# Allegro board LAUNCHXL-CC1312R1.brd
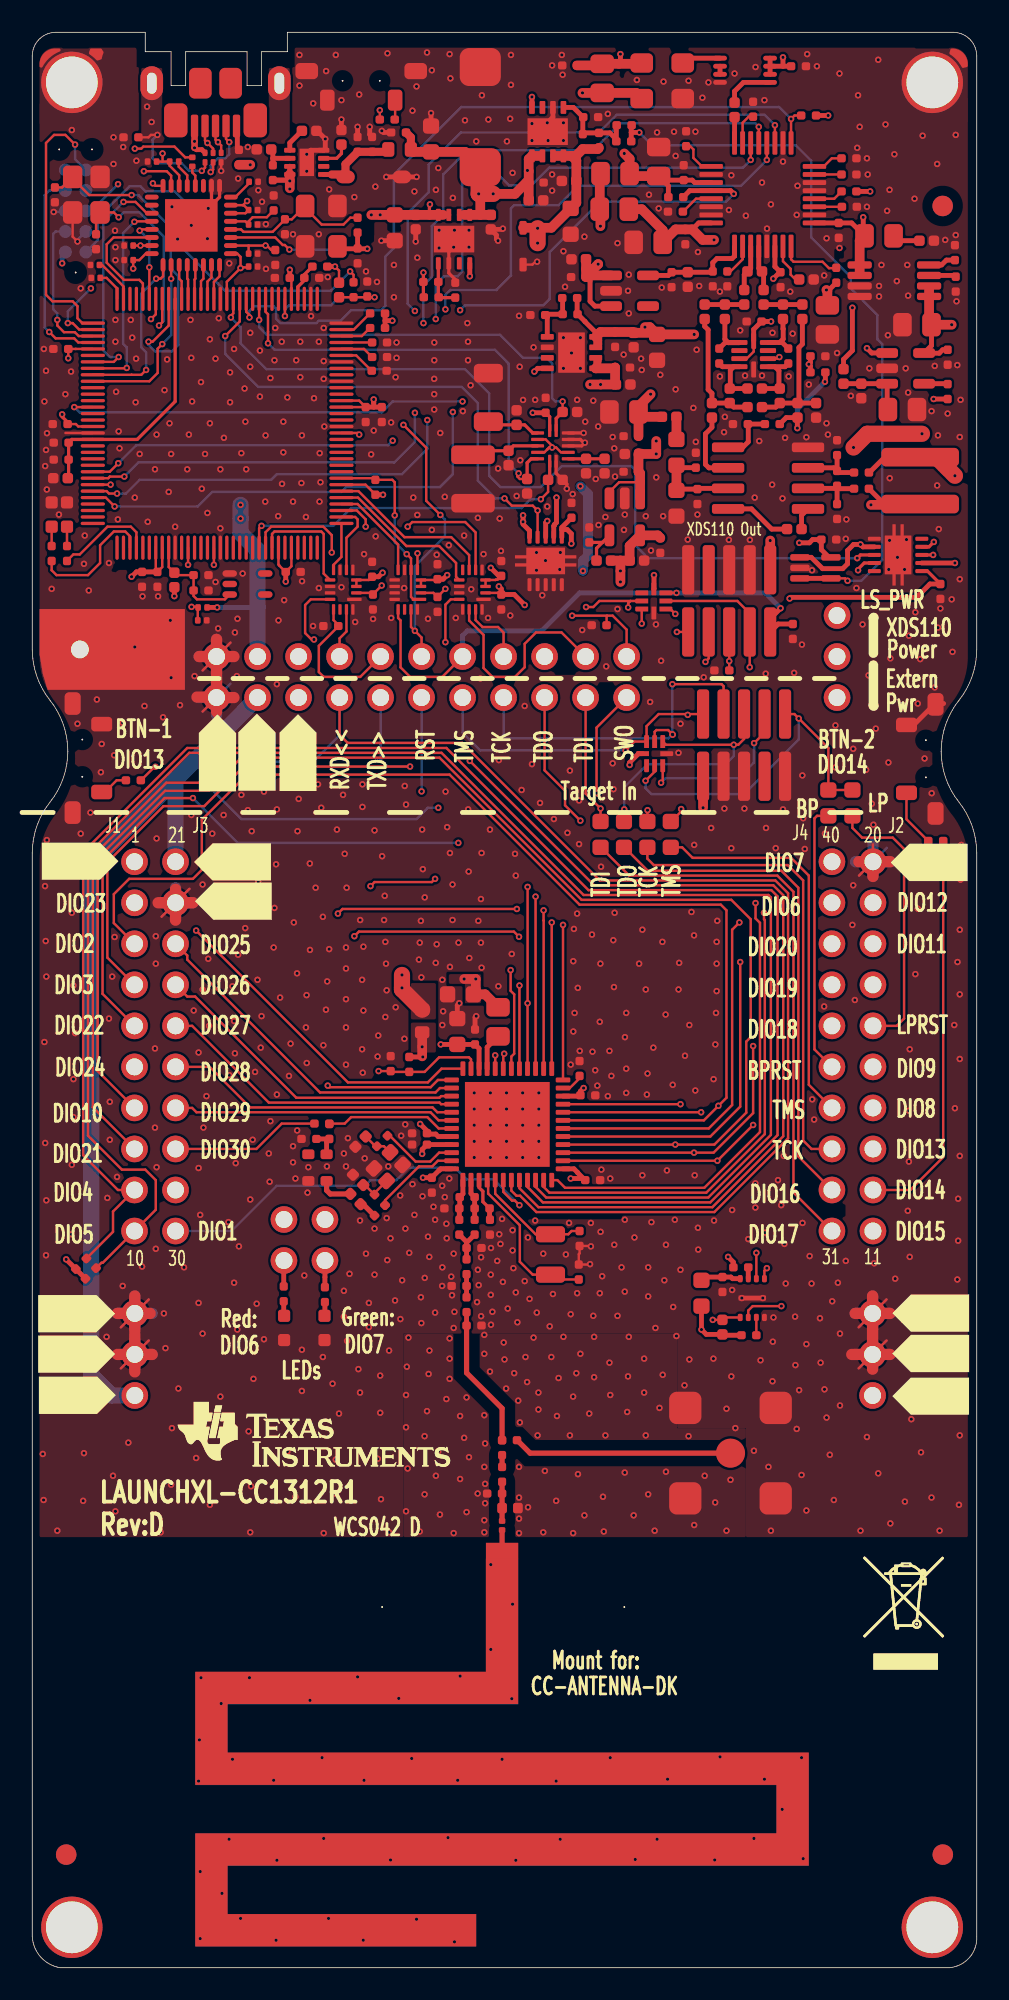
[diagram p0: board, top side]
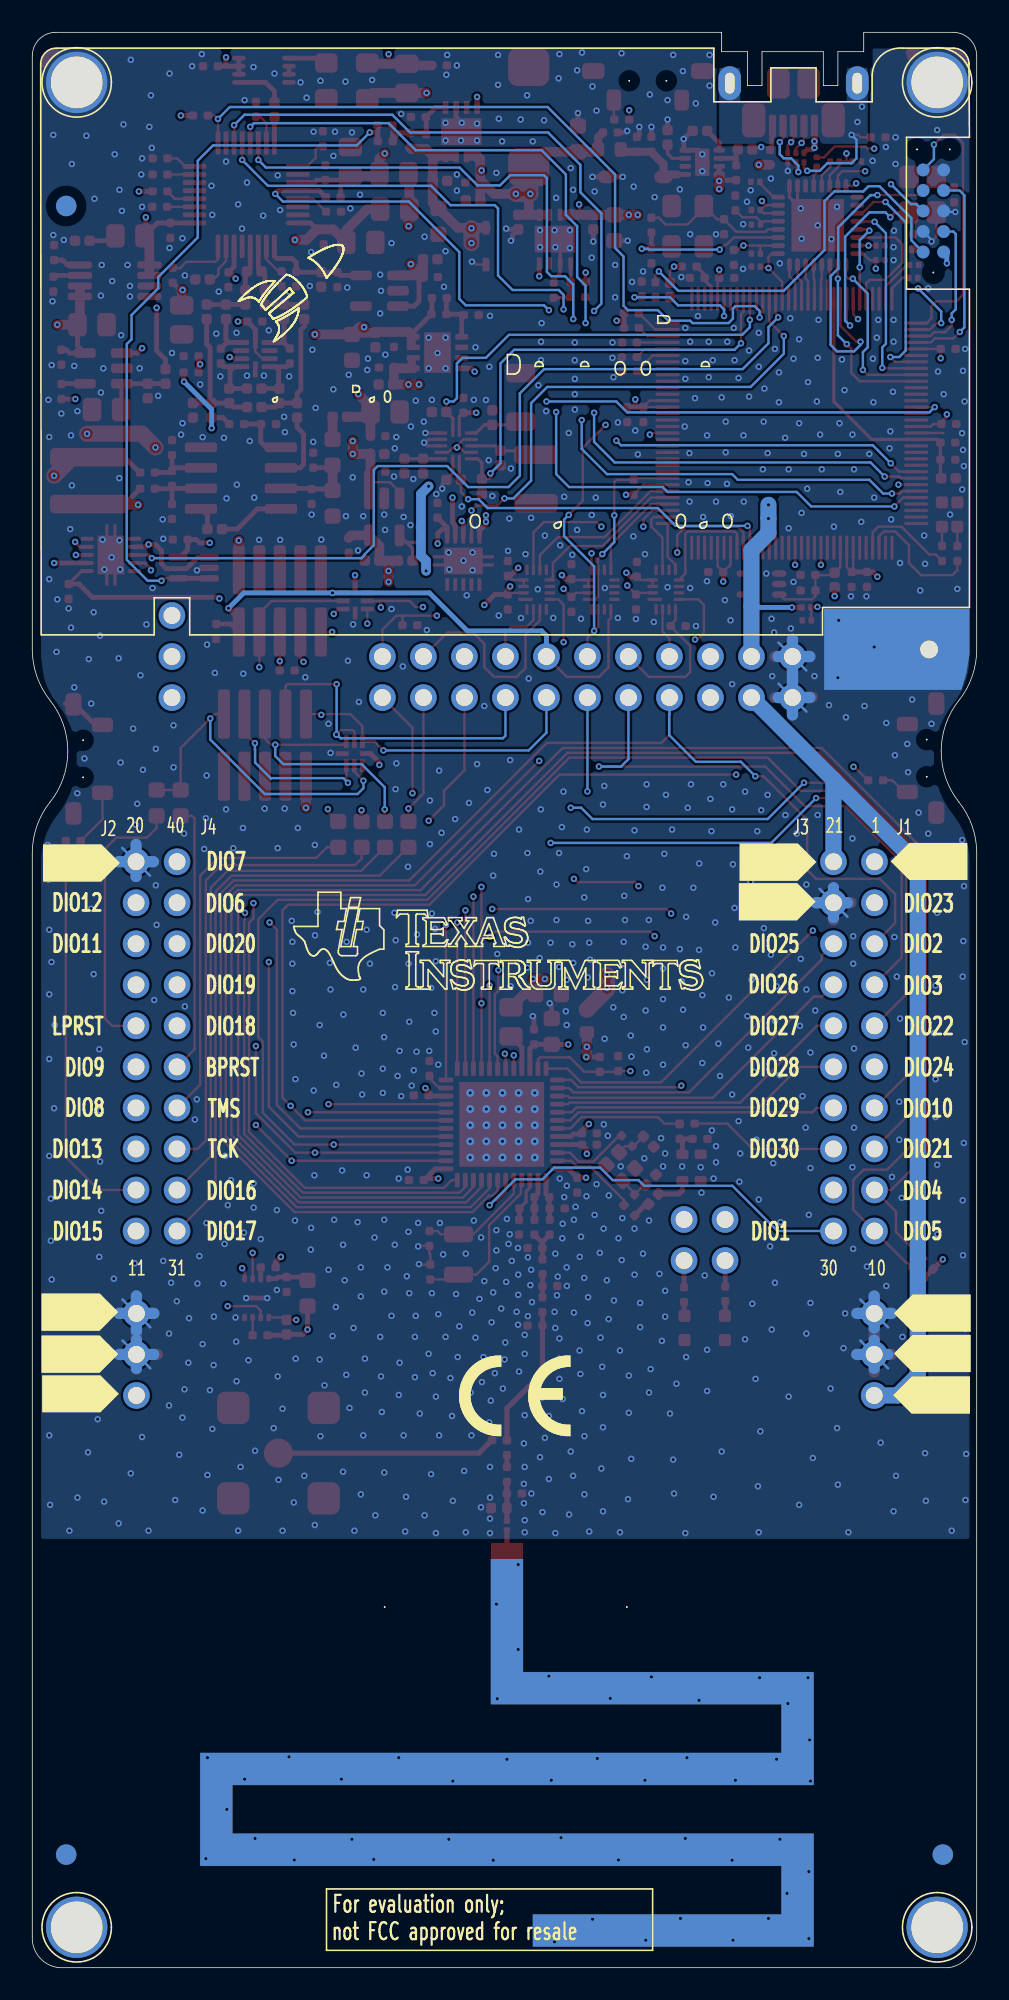
[diagram p1: board, bottom side, seen from below]

Outline 58.5 x 119.8 mm; copper layers: TOP, L2, L3, BOTTOM. Coordinates in mm from the lower left corner of the outline.
Outline path: 0,118.34 0,81.6 arc(0.28,79.93) 1.1,78.45 arc(1.92,76.97) 2.2,75.3 arc(1.92,73.63) 1.1,72.15 arc(0.28,70.67) 0,69 0,1.95 arc(0.51,0.67) 1.72,0 56.8,0 arc(58.05,0.63) 58.5,1.95 58.5,69 arc(58.22,70.67) 57.4,72.15 arc(56.58,73.63) 56.3,75.3 arc(56.58,76.97) 57.4,78.45 arc(58.22,79.93) 58.5,81.6 58.5,118.34 arc(58.07,119.37) 57.04,119.8 15.8,119.8 15.8,118.6 14.2,118.6 14.2,116.5 13.3,116.5 13.3,118.6 9.5,118.6 9.5,116.5 8.6,116.5 8.6,118.6 7,118.6 7,119.8 1.46,119.8 arc(0.43,119.37) 0,118.34

## Design rules (mm)
constraint set DEFAULT: min track width 0.15
nets with their own width: min track width 0.15; nets GND VDDR VDDS WMCU_VDD

## Placement (name value [footprint] x y rotation side)
A1  DNM  [ANTENNA_DN024N]  29.1 25.8 180 top
C1  12pF  [CAPC1005X60B2N]  3.95 107.3 270 top
C2  10nF  [CAPC1005X60B2N]  15.7 86.4 0 top
C3  10nF  [CAPC1005X60B2N]  2.19 95.55 180 top
C4  10nF  [CAPC1005X60B2N]  2.23 100.2 180 top
C6  100nF  [CAPC0603X35B2N]  13.4 105.3 0 top
C7  10nF  [CAPC1005X60B2N]  6.8 86.4 270 top
C8  0.1uF  [CAPC1005X60B2N]  9.99 86.2 0 top
C9  12pF  [CAPC1005X60B2N]  1.4 110.2 270 top
C11  3.6pF  [CAPC1005X60B2N]  26.45 47 180 top
C12  0.1uF  [CAPC1005X60B2N]  34.25 48.75 0 top
C14  0.1uF  [CAPC1005X60B2N]  33.95 54 0 top
C15  0.1uF  [CAPC1005X60B2N]  24.45 51.65 180 top
C16  22uF  [CAPC1608X100A2N]  26.32 57.15 90 top
C17  0.1uF  [CAPC1005X60B2N]  27.42 57.15 90 top
C18  22uF  [CAPC1608X100A2N]  27.32 60.25 180 top
C19  0.1uF  [CAPC1005X60B2N]  24.45 50.95 180 top
C20  0.1uF  [CAPC1005X60B2N]  24.75 48.9 270 top
C21  3.6pF  [CAPC1005X60B2N]  27.4 46.3 270 top
C22  DNM  [CAPC1005X60A2N]  20.5 48.45 135 top
C23  DNM  [CAPC1005X60A2N]  20.65 51.45 225 top
C24  0.1uF  [CAPC1005X60B2N]  17.6 51.3 180 top
C25  1nF  [CAPC1005X60A2N]  19.7 47.9 315 top
C30  0.1uF  [CAPC1005X60B2N]  42.75 42.75 270 top
C31  100pF  [CAPC1005X60B2N]  28.35 46.3 270 top
C33  2.7pF  [CAPC1005X60B2N]  26.9 44.55 0 top
C34  6.2pF  [CAPC1005X60B2N]  26.9 42.2 180 top
C35  3pF  [CAPC1005X60B2N]  26.9 39.75 0 top
C36  100pF  [CAPC1005X60B2N]  29.1 32.65 270 top
C37  DNM  [CAPC1005X60B2N]  29.1 32.65 0 top
C38  0.1uF  [CAPC1005X60B2N]  15.95 104.6 180 top
C39  0.1uF  [CAPC1005X60B2N]  20.65 96.6 270 top
C40  1uF  [CAPC1005X60B2N]  21.65 96.6 270 top
C41  12pF  [CAPC1005X60B2N]  33.85 42.6 90 top
C42  1uF  [CAPC1005X60B2N]  7.75 86.4 270 top
C43  0.1uF  [CAPC1005X60B2N]  2.25 94.4 180 top
C44  1uF  [CAPC1005X60B2N]  2.25 93.35 180 top
C45  2.2uF  [CAPC1005X60A2N]  2.2 92.2 180 top
C46  0.1uF  [CAPC1005X60B2N]  16.85 104.6 0 top
C47  15pF  [CAPC1005X60B2N]  24.25 103.4 0 top
C48  2.2uF  [CAPC1005X60A2N]  28.4 108.5 270 top
C49  2.2uF  [CAPC1005X60A2N]  23.75 108.5 270 top
C50  10nF  [CAPC1005X60B2N]  9.99 85.25 0 top
C51  15pF  [CAPC1005X60B2N]  33.9 45.6 270 top
C52  0.1uF  [CAPC1005X60B2N]  22.2 55.5 90 top
C53  1uF  [CAPC1005X60B2N]  33.9 55.2 90 top
C70  0.1uF  [CAPC1005X60B2N]  21.1 85 270 top
C71  0.1uF  [CAPC1005X60B2N]  21.05 86.1 90 top
C72  0.1uF  [CAPC1005X60B2N]  29.05 85 270 top
C73  0.1uF  [CAPC1005X60B2N]  29.05 86.15 90 top
C74  0.1uF  [CAPC1005X60B2N]  25.1 84.85 270 top
C75  0.1uF  [CAPC1005X60B2N]  25.1 85.95 90 top
C78  100nF  [CAPC0603X35B2N]  6.25 105.7 180 top
C79  100nF  [CAPC0603X35B2N]  13.4 108.8 0 top
C80  100nF  [CAPC0603X35B2N]  7.7 111.8 180 top
C83  100nF  [CAPC0603X35B2N]  13.4 106.1 0 top
C84  100nF  [CAPC0603X35B2N]  6.25 106.6 180 top
C85  4.7uF  [CAPC1005X60B2N]  15.05 105.4 90 top
C86  4.7uF  [CAPC1005X60B2N]  14.95 109.7 270 top
C87  100nF  [CAPC0603X35B2N]  13.4 107.9 0 top
C88  12pF  [CAPC1005X60B2N]  15.65 107.3 90 top
C89  12pF  [CAPC1005X60B2N]  20.15 105.5 90 top
C106  0.1uF  [CAPC1005X60B2N]  12.8 111.6 90 top
C107  33nF  [CAPC1005X60A2N]  16.7 113.7 0 top
C108  10nF  [CAPC1005X60B2N]  21.05 112.4 90 top
C109  1uF  [CAPC1005X60B2N]  20.15 112.4 90 top
C110  0.1uF  [CAPC1005X60B2N]  23.15 113.6 180 top
C111  3.3uF  [CAPC1608X90A2N]  24.7 114 270 top
C112  220uF  [CAPMP7343X430A2N]  27.75 111.45 90 top
C113  22uF  [CAPC1608X100A2N]  22.45 108.5 270 top
C114  0.1uF  [CAPC1005X60B2N]  56.25 85.65 270 top
C115  0.1uF  [CAPC1005X60B2N]  47 117.7 0 top
C116  0.1uF  [CAPC1005X60B2N]  40.35 110.65 90 top
C117  10uF  [CAPC2012X150A2N]  38.8 110.9 90 top
C118  0.1uF  [CAPC1005X60B2N]  33.75 117.75 180 top
C119  0.1uF  [CAPC1005X60B2N]  40.45 107.6 270 top
C120  0.1uF  [CAPC1005X60B2N]  46.35 104.95 270 top
C121  10uF  [CAPC2012X150A2N]  39.05 106.8 180 top
C122  10uF  [CAPC2012X150A2N]  49.25 102.9 270 top
C123  270pF  [CAPC1005X60B2N]  42.55 99.3 90 top
C124  DNM  [CAPC1005X60B2N]  49.85 94.55 270 top
C125  0.1uF  [CAPC1005X60B2N]  41.2 90.6 90 top
C126  0.1uF  [CAPC1005X60B2N]  44.25 101.9 0 top
C127  0.1uF  [CAPC1005X60B2N]  49.95 108 270 top
C128  1uF  [CAPC1005X60B2N]  42.15 105 270 top
C129  470pF  [CAPC1005X60A2N]  44.3 96.6 0 top
C130  1nF  [CAPC1005X60A2N]  44.3 97.75 0 top
C131  22nF  [CAPC1005X60A2N]  44.3 105 0 top
C132  DNM  [CAPC1005X60B2N]  49.85 92.65 270 top
C133  1uF  [CAPC1005X60B2N]  48.2 99.75 0 top
C134  DNM  [CAPC1005X60B2N]  49.85 90.6 270 top
C135  270pF  [CAPC1005X60B2N]  46.83 99.3 90 top
C136  1uF  [CAPC1005X60B2N]  43.05 105 270 top
C137  1uF  [CAPC1005X60B2N]  50.15 109 0 top
C138  1uF  [CAPC1005X60B2N]  40.5 112.75 90 top
C139  0.1uF  [CAPC1005X60B2N]  33.4 89.75 90 top
C140  0.1uF  [CAPC1005X60B2N]  31.8 96.25 90 top
C141  0.1uF  [CAPC1005X60B2N]  56.7 100.15 270 top
C142  10uF  [CAPC2012X150A2N]  55.7 101.7 180 top
C143  2.2uF  [CAPC1005X60A2N]  30 95.5 90 top
C144  2.2uF  [CAPC1005X60A2N]  29.5 93.9 270 top
C145  1uF  [CAPC1005X60B2N]  57.15 105.7 90 top
C146  47uF  [CAPC2012X150A2N]  51.55 107.2 0 top
C147  10uF  [CAPC2012X150A2N]  53 96.45 0 top
C149  2.2uF  [CAPC1005X60A2N]  34.3 93.4 270 top
C151  2.2uF  [CAPC1005X60A2N]  36.15 98 0 top
C152  0.1uF  [CAPC1005X60B2N]  36.1 99.05 0 top
C153  15pF  [CAPC1005X60B2N]  33.75 103.35 180 top
C154  0.1uF  [CAPC1005X60B2N]  36.1 101.25 270 top
C155  2.2uF  [CAPC1005X60A2N]  37.25 101.2 270 top
C156  22uF  [CAPC1608X100A2N]  38.7 101.1 270 top
C157  2.2uF  [CAPC1005X60A2N]  34.3 105.75 180 top
C158  0.1uF  [CAPC1005X60B2N]  39.6 104.95 270 top
C159  2.2uF  [CAPC1005X60A2N]  40.6 104.95 270 top
C160  2.2uF  [CAPC1005X60A2N]  37.6 93.7 180 top
C161  0.1uF  [CAPC1005X60B2N]  37.55 92.6 180 top
C162  0.1uF  [CAPC1005X60B2N]  38.9 88.5 270 top
C163  2.2uF  [CAPC1005X60A2N]  37 87.1 0 top
C164  0.1uF  [CAPC1005X60B2N]  34.3 104.65 180 top
C165  10uF  [CAPC2012X150A2N]  37.55 96.3 180 top
C166  10nF  [CAPC1005X60B2N]  37.55 94.8 180 top
C167  0.1uF  [CAPC1005X60B2N]  41.1 92.85 90 top
C168  22uF  [CAPC1608X100A2N]  39.9 91.45 270 top
C169  DNM  [CAPC1005X60B2N]  36.2 114.05 0 top
C170  DNM  [CAPC1005X60B2N]  49.8 88.4 180 top
C171  2.2uF  [CAPC1005X60A2N]  30.75 109.4 0 top
C172  15pF  [CAPC1005X60B2N]  35.1 112.65 90 top
C173  2.2uF  [CAPC1005X60A2N]  33.7 110.6 180 top
C174  22uF  [CAPC1608X100A2N]  33.35 108.9 270 top
C175  0.1uF  [CAPC1005X60B2N]  30.75 110.5 0 top
CR1  LPL296-J2L2-25  [LEDC1707X65N]  18.1 38.85 90 top
CR2  LS L296-P2Q2-1  [LEDC1708X67N]  15.6 38.85 90 top
CR4  LS L296-P2Q2-1  [LEDC1708X67N]  1.2 90.7 270 top
CR5  LPL296-J2L2-25  [LEDC1707X65N]  2.15 90.7 270 top
CR6  TPD4E004DRY  [SON50P100X145X60-6B2N]  10.7 111.75 0 top
CR7  TPD6E004RSER  [QFN50P150X150X60-8N]  37.75 85.1 270 top
CR8  TPD6E004RSER  [QFN50P150X150X60-8N]  38.05 74.4 0 top
CR14  DNM  [SODFL2512X80A2N]  30.4 107.7 270 top
CR15  NRVB130T1G  [SOD3716X135N]  19.4 110.85 0 top
FIDU1  DNM  [FID127X142]  56.39 109.05 0 top
FIDU2  DNM  [FID127X142]  2.1 7 0 top
FIDU3  DNM  [FID127X142]  56.4 7 0 top
FIDU4  DNM  [FID127X142]  56.4 109.05 180 bottom
FIDU5  DNM  [FID127X142]  2.1 7 180 bottom
FIDU6  DNM  [FID127X142]  56.4 7 180 bottom
FL1  BLM18HE152SN1  [FIL_BLM18HE152SN1DN]  24.15 57.9 90 top
FL2  BLM18HE152SN1  [FIL_BLM18HE152SN1DN]  23.45 112.55 180 top
FL3  BLM18HE152SN1  [FIL_BLM18HE152SN1DN#2]  39.9 93 90 top
FL4  BLM21PG221SN1  [FILC2012X110A2N]  35.3 116.05 90 top
FL5  BLM21PG221SN1  [FILC2012X110A2N]  35.2 111.05 0 top
FL6  BLM21PG221SN1  [FILC2012X110A2N]  36.95 108.85 180 top
J1  SSQ-110-23-L-D  [SAMTEC_SSQ11023LD_A2B]  6.33 68.46 0 bottom
J2  SSQ-110-23-L-D  [SAMTEC_SSQ11023LD_A2B]  49.53 68.46 0 bottom
J6  105164-0001  [MOLEX_1051640001_B2N]  10.05 114 0 top
J7  SMA-10V21-TGG  [HUSTSAN_SMA10V21TGGAN]  43.25 31.85 0 top
L10  6.8uH  [INDC2012X150A2N]  28.85 57.65 90 top
L11  7.5nH  [INDC1005X60D2N]  26.45 46.3 270 top
L12  27nH  [INDC1005X60D2N]  27.4 47.7 180 top
L32  7.5nH  [INDC1005X60D2N]  27.4 47 0 top
L33  6.8nH  [INDC1005X60D2N]  26.9 43.85 270 top
L34  6.8nH  [INDC1005X60D2N]  26.9 41.5 270 top
LBL1  CE_label  [CE_MARKING]  29.45 32.9 180 bottom
LBL2  DNM  [TI_LOGO_1]  10 35.03 0 top
LBL4  DNM  [LABEL_FOR_EVALUATION_ONLY]  40.12 1.22 180 bottom
LBL6  TRASH_7mm  [TRASH_7MM]  52.1 18.45 0 top
M1  SNT-100-BK-G  [SAMTEC_SNT100BKG]  16.88 42.5 90 top
M2  SNT-100-BK-G  [SAMTEC_SNT100BKG]  19.38 42.5 90 top
M3  SNT-100-BK-G  [SAMTEC_SNT100BKG]  12.65 77.3 90 top
M4  SNT-100-BK-G  [SAMTEC_SNT100BKG]  15.25 77.3 90 top
M5  SNT-100-BK-G  [SAMTEC_SNT100BKG]  17.75 77.3 90 top
M6  SNT-100-BK-G  [SAMTEC_SNT100BKG]  20.25 77.3 90 top
M7  SNT-100-BK-G  [SAMTEC_SNT100BKG]  22.85 77.3 90 top
M8  SNT-100-BK-G  [SAMTEC_SNT100BKG]  25.35 77.3 90 top
M9  SNT-100-BK-G  [SAMTEC_SNT100BKG]  27.95 77.3 90 top
M10  SNT-100-BK-G  [SAMTEC_SNT100BKG]  30.45 77.3 90 top
M11  SNT-100-BK-G  [SAMTEC_SNT100BKG]  33.05 77.3 90 top
M12  SNT-100-BK-G  [SAMTEC_SNT100BKG]  35.55 77.3 90 top
M13  SNT-100-BK-G  [SAMTEC_SNT100BKG]  38.15 77.3 90 top
M14  SNT-100-BK-G  [SAMTEC_SNT100BKG]  51.15 79.9 90 top
M15  DCB-10  [MECH_DCB10_A2B]  4.15 4.05 180 bottom
M16  DCB-10  [MECH_DCB10_A2B]  54.5 4 180 bottom
M17  DCB-10  [MECH_DCB10_A2B]  4.25 115 180 bottom
M18  DCB-10  [MECH_DCB10_A2B]  54 114.95 180 bottom
MH1  DNM  [MTG320_380]  2.45 2.5 180 bottom
MH2  DNM  [MTG320_380]  55.75 2.5 180 bottom
MH3  DNM  [MTG320_380]  2.45 116.7 180 bottom
MH4  DNM  [MTG320_380]  55.75 116.7 180 bottom
MH5  DNM  [MTG110_170]  2.95 81.6 0 top
NOREF  -  []  -75.31 -10.05 90 top
NOREF#2  -  []  52.06 0 90 top
NOREF#3  -  []  51.55 38.1 0 top
NOREF#4  -  []  -4.35 67.3 0 top
NOREF#5  -  []  56.3 75.34 0 top
NOREF#6  -  []  -178.4 -140.5 0 top
NOREF#7  -  []  16.45 70.4 90 top
NOREF#8  -  []  -1.95 38.1 0 top
NOREF#9  -  []  8.35 65.9 0 top
NOREF#10  -  []  33.55 35.5 0 top
NOREF#11  #VALUE  [unnamed#2]  21.67 22.32 0 top
NOREF#12  -  []  0 112.17 0 top
NOREF#13  -  []  51.45 66 0 top
NOREF#14  -  []  13.85 70.5 90 top
NOREF#15  -  []  -2.05 32.9 0 top
NOREF#16  -  []  17.65 67.9 90 top
NOREF#17  -  []  8.35 63.6 0 top
NOREF#18  -  []  53.05 34 0 top
NOREF#19  -  []  -59.23 124.59 0 top
NOREF#20  -  []  58.03 0.61 0 top
NOREF#21  -  []  0.85 -28.78 0 top
NOREF#22  -  []  51.55 35.6 0 top
NOREF#23  -  []  -73.08 125.52 0 top
NOREF#24  -  []  -1.95 35.6 0 top
NOREF#25  -  []  -70.48 81.55 0 top
NOREF#26  -  []  60.25 35.6 180 bottom
NOREF#27  -  []  57.95 34.3 180 bottom
NOREF#28  -  []  6.85 32.9 180 bottom
NOREF#29  -  []  51.48 89.52 180 bottom
NOREF#30  -  []  60.15 66 180 bottom
NOREF#31  -  []  17.05 63.6 180 bottom
NOREF#32  -  []  6.85 38.1 180 bottom
NOREF#33  -  []  6.85 35.6 180 bottom
NOREF#34  -  []  60.25 38.2 180 bottom
NOREF#35  -  []  17.15 65.9 180 bottom
NOREF#36  -  []  5.55 67.1 180 bottom
P1  BB02-HC031-KB1-603000  [GRADCONN_BB02HC031KB1603000_A2B]  52.05 35.42 90 top
P2  BB02-HC031-KB1-603000  [GRADCONN_BB02HC031KB1603000_A2B]  6.35 35.42 90 top
P4  BB02-HJ221-KB1-603000  [GRADCONN_BB02HJ221KB160300_A2B]  36.81 81.16 180 top
P5  FTSH-105-01-F-DV-K  [SAMTEC_FTSH10501FDVK_A2N]  41.55 73.75 0 top
P6  BB02-HJ041-KB1-603000  [GRADCONN_BB02HJ041KB1603000_A2B]  15.59 43.77 0 top
P7  FTSH-105-01-F-DV-K  [SAMTEC_FTSH10501FDVK_A2N]  45.71 86.53 180 top
P8  DNM  [TAGCONNECT_TC2050IDCNL_A2N]  2.05 106.2 90 bottom
P10  BB02-HC031-KB1-603000  [GRADCONN_BB02HC031KB1603000_A2B]  49.85 83.7 270 top
PCB1  As Per Fab Drawing-WCS042  [TI_MCUXX]  54.25 30.35 0 top
R1  100k  [RESC1005X40B2N]  23.35 55.45 90 top
R2  3.3k  [RESC1005X40B2N]  3.35 43.9 225 top
R3  3.3k  [RESC1005X40B2N]  3.95 43.3 225 top
R5  0  [RESC1005X40B2N]  21.85 47.2 135 top
R6  0  [RESC1005X40B2N]  22 51.5 225 top
R7  DNM  [RESC1005X40B2N]  21.2 46.55 45 top
R8  DNM  [RESC1005X40B2N]  18.4 51.3 90 top
R9  0  [RESC1005X40B2N]  18.4 52.25 180 top
R11  2.2k  [RESC1005X40A2N]  42.75 39.2 90 top
R12  0  [RESC1608X55A2N]  41.45 42.55 270 top
R14  220  [RESC1005X40B2N]  15.57 41.25 90 top
R15  180  [RESC1005X40B2N]  18.12 41.2 90 top
R17  10k  [RESC1005X40A2N]  19 103.4 90 top
R18  4.7k  [RESC1005X40A2N]  8.8 86.35 270 top
R20  100  [RESC1005X40B2N]  19.9 103.4 90 top
R21  DNM  [RESC1005X40B2N]  20.75 103.45 90 top
R23  180  [RESC1005X40B2N]  1.2 88 270 top
R25  220  [RESC1005X40B2N]  2.15 88 270 top
R27  1k  [RESC1005X40B2N]  21.85 101.5 180 top
R28  4.87k  [RESC1005X40B2N]  21.95 98.85 180 top
R29  1k  [RESC1005X40B2N]  21.05 100.6 0 top
R30  1k  [RESC1005X40B2N]  21.05 99.7 0 top
R31  51  [RESC1005X40B2N]  17.35 105.3 0 top
R32  33k  [RESC1005X40B2N]  5.65 113.3 0 top
R33  51k  [RESC1005X40B2N]  25.15 104.35 180 top
R34  30k  [RESC1005X40B2N]  26.2 104.3 270 top
R39  1k  [RESC1005X40B2N]  21.85 102.4 180 top
R46  DNM  [RESC1608X55A2N]  39.55 69.35 90 top
R47  DNM  [RESC1608X55A2N]  38.1 69.35 90 top
R48  0  [RESC1608X55A2N]  36.65 69.35 90 top
R49  0  [RESC1608X55A2N]  35.2 69.35 90 top
R51  0  [RESC1608X55A2N]  50.8 71.3 90 top
R52  0  [RESC1608X55A2N]  49.31 71.3 90 top
R55  100  [RESC1005X40B2N]  55.5 69.75 0 top
R56  100  [RESC1005X40B2N]  5.8 73.5 0 top
R57  100  [RESC1005X40B2N]  22.45 114.4 180 top
R58  3.3k  [RESC1005X40B2N]  21.25 92.1 270 top
R59  DNM  [RESC1005X40B2N]  44.85 39.15 180 top
R60  DNM  [RESC1005X40B2N]  44.35 43.35 180 top
R61  100k  [RESC1005X40B2N]  18.03 83.05 0 top
R62  100k  [RESC1005X40B2N]  34.65 83.1 0 top
R63  100k  [RESC1005X40B2N]  42.25 80.3 0 top
R65  100k  [RESC1005X40B2N]  47.11 82.25 90 top
R82  10k  [RESC0603X35B2N]  9.91 111.5 90 top
R83  10k  [RESC0603X35B2N]  8.51 111.8 0 top
R84  12k  [RESC0603X35B2N]  13.99 110.55 180 top
R87  1M  [RESC1005X40B2N]  20.15 107.4 90 top
R90  1k  [RESC0603X35B2N]  3.6 105.4 0 top
R91  1k  [RESC0603X35B2N]  3.65 104.6 0 top
R92  10k  [RESC0603X35B2N]  10.27 84.2 0 top
R93  20k  [RESC0603X35B2N]  10.25 83.4 0 top
R94  22  [RESC1005X40A2N]  43.5 114.55 90 top
R95  1.2k  [RESC1005X40A2N]  41.65 102.95 270 top
R96  100k  [RESC1005X40B2N]  48.55 114.65 180 top
R97  100k  [RESC1005X40B2N]  40.3 108.7 180 top
R98  100k  [RESC1005X40B2N]  49.8 104.3 90 top
R99  0  [RESC1005X40B2N]  50.9 92.55 0 top
R100  0  [RESC1005X40B2N]  46.3 95.55 180 top
R101  1.2k  [RESC1005X40A2N]  42.1 96.85 270 top
R102  330  [RESC1005X40A2N]  43.2 97.75 270 top
R103  4.99  [RESC1005X40A2N]  42.9 102.95 270 top
R104  10  [RESC1005X40A2N]  44.1 103.85 270 top
R105  100k  [RESC1005X40B2N]  44.65 115.5 270 top
R106  DNM  [RESC1005X40B2N]  43.4 95.55 0 top
R107  1  [RESC3246X70A2N]  55 93.5 270 top
R108  0  [RESC1005X40B2N]  50.9 91.55 0 top
R109  1.2k  [RESC1005X40A2N]  47.4 96.85 270 top
R110  330  [RESC1005X40A2N]  46.3 97.75 270 top
R111  DNM  [RESC1005X40B2N]  48.2 98.75 0 top
R112  4.99  [RESC1005X40A2N]  46.5 102.95 270 top
R113  10  [RESC1005X40A2N]  45.3 103.85 270 top
R114  100k  [RESC1005X40B2N]  39.4 109.6 0 top
R115  DNM  [RESC1005X40A2N]  48.55 96.85 270 top
R116  60.4k  [RESC1005X40A2N]  48.4 104.5 180 top
R117  100k  [RESC1005X40B2N]  51.05 112 180 top
R118  100k  [RESC1005X40B2N]  51.05 111 180 top
R119  100k  [RESC1005X40B2N]  51.05 109.95 180 top
R120  1.2k  [RESC1005X40A2N]  47.7 102.95 270 top
R121  22k  [RESC1005X40A2N]  50.25 98.95 270 top
R122  0.22  [RESC1005X50A2N]  55.85 106.9 180 top
R123  82  [RESC3216X75A2N]  28.25 98.7 270 top
R125  36.5  [RESC3225X75A2N]  27.3 90.65 90 top
R126  4.7k  [RESC1005X40A2N]  51.35 97.15 90 top
R127  47k  [RESC1005X40A2N]  31.95 92.1 0 top
R128  47k  [RESC1005X40A2N]  30.65 92.15 270 top
R129  47k  [RESC1005X40A2N]  32.85 96.3 0 top
R130  2.2k  [RESC1005X40A2N]  35.45 93.4 270 top
R131  0  [RESC1005X40B2N]  56.7 97.1 90 top
R132  51k  [RESC1005X40B2N]  32.85 102.35 0 top
R133  30k  [RESC1005X40B2N]  30.85 102.3 0 top
R134  60.4k  [RESC1005X40A2N]  34.95 87.1 0 top
R135  30k  [RESC1005X40B2N]  34.5 89.15 270 top
R136  100k  [RESC1005X40B2N]  57.2 103.75 90 top
R137  2.61k  [RESC1005X40A2N]  46.75 89.05 0 top
R138  DNM  [RESC1005X40B2N]  37.1 113.05 180 top
R151  51k  [RESC1005X40B2N]  34.1 113.5 270 top
R152  30k  [RESC1005X40B2N]  35.05 114.55 180 top
R153  10  [RESC1005X40A2N]  39.9 96 180 top
R154  1M  [RESC1005X40B2N]  14.9 110.65 90 top
R155  390k  [RESC1005X40A2N]  13.9 112.55 0 top
R156  4.7k  [RESC1005X40A2N]  19.15 113.75 270 top
SW1  1188E-1K2  [SW_1188E1K2V_A2N]  2.5 78.25 270 top
SW2  1188E-1K2  [SW_1188E1K2V_A2N]  55.95 71.45 90 top
SW3  1188E-1K2  [SW_1188E1K2V_A2N]  23.75 117.4 180 top
U1  CC1312R1F3RGZ  [QFNFC50P700X700X100-49A2N]  26.67 48.75 0 top
U4  MX25R8035FZUIL0  [SON50P300X200X60-9B2N]  43.85 40.25 0 top
U5  TM4C1294NCPDTT3R  [QFP40P1600X1600X120-128N]  5.25 87.9 0 top
U6  LM4040B25IDCK  [SOT65P210X110-5N]  12.23 86.3 270 top
U7  TPS79601DR  [SON65P300X300X100-9AN#2]  27.1 108.5 180 top
U8  SN74AVC4T245RSV  [QFNFC40P180X260X55-16A2N]  19.95 84.7 90 top
U9  SN74AVC4T245RSV  [QFNFC40P180X260X55-16A2N]  27.95 84.7 90 top
U10  SN74AVC4T245RSV  [QFNFC40P180X260X55-16A2N]  23.95 84.7 90 top
U15  USB3300-EZK  [QFNWB50P500X500X100-33N]  11.6 110.3 180 top
U33  TS3A24159DRC  [SON50P300X300X100-11A2N]  55.1 86.45 90 top
U34  SN74LVC2G74DCU  [SOP50P310X90-8N]  42.6 118.2 270 top
U35  ADS127L01IPBS  [QFP50P700X700X120-32A2N]  43.5 106.55 0 top
U36  INA118UB  [SOIC127P600X175-8A2N]  48.05 90.3 90 top
U37  THS4551IRUN  [QFNFCP50P200X200X80-10A2N]  43.8 100.6 270 top
U38  TS3A24159DRC  [SON50P300X300X100-11A2N]  32.8 88.55 180 top